# Altium PCB GameBoard_V1I1_Phase1.PcbDoc (part 6 of 18) (continued)
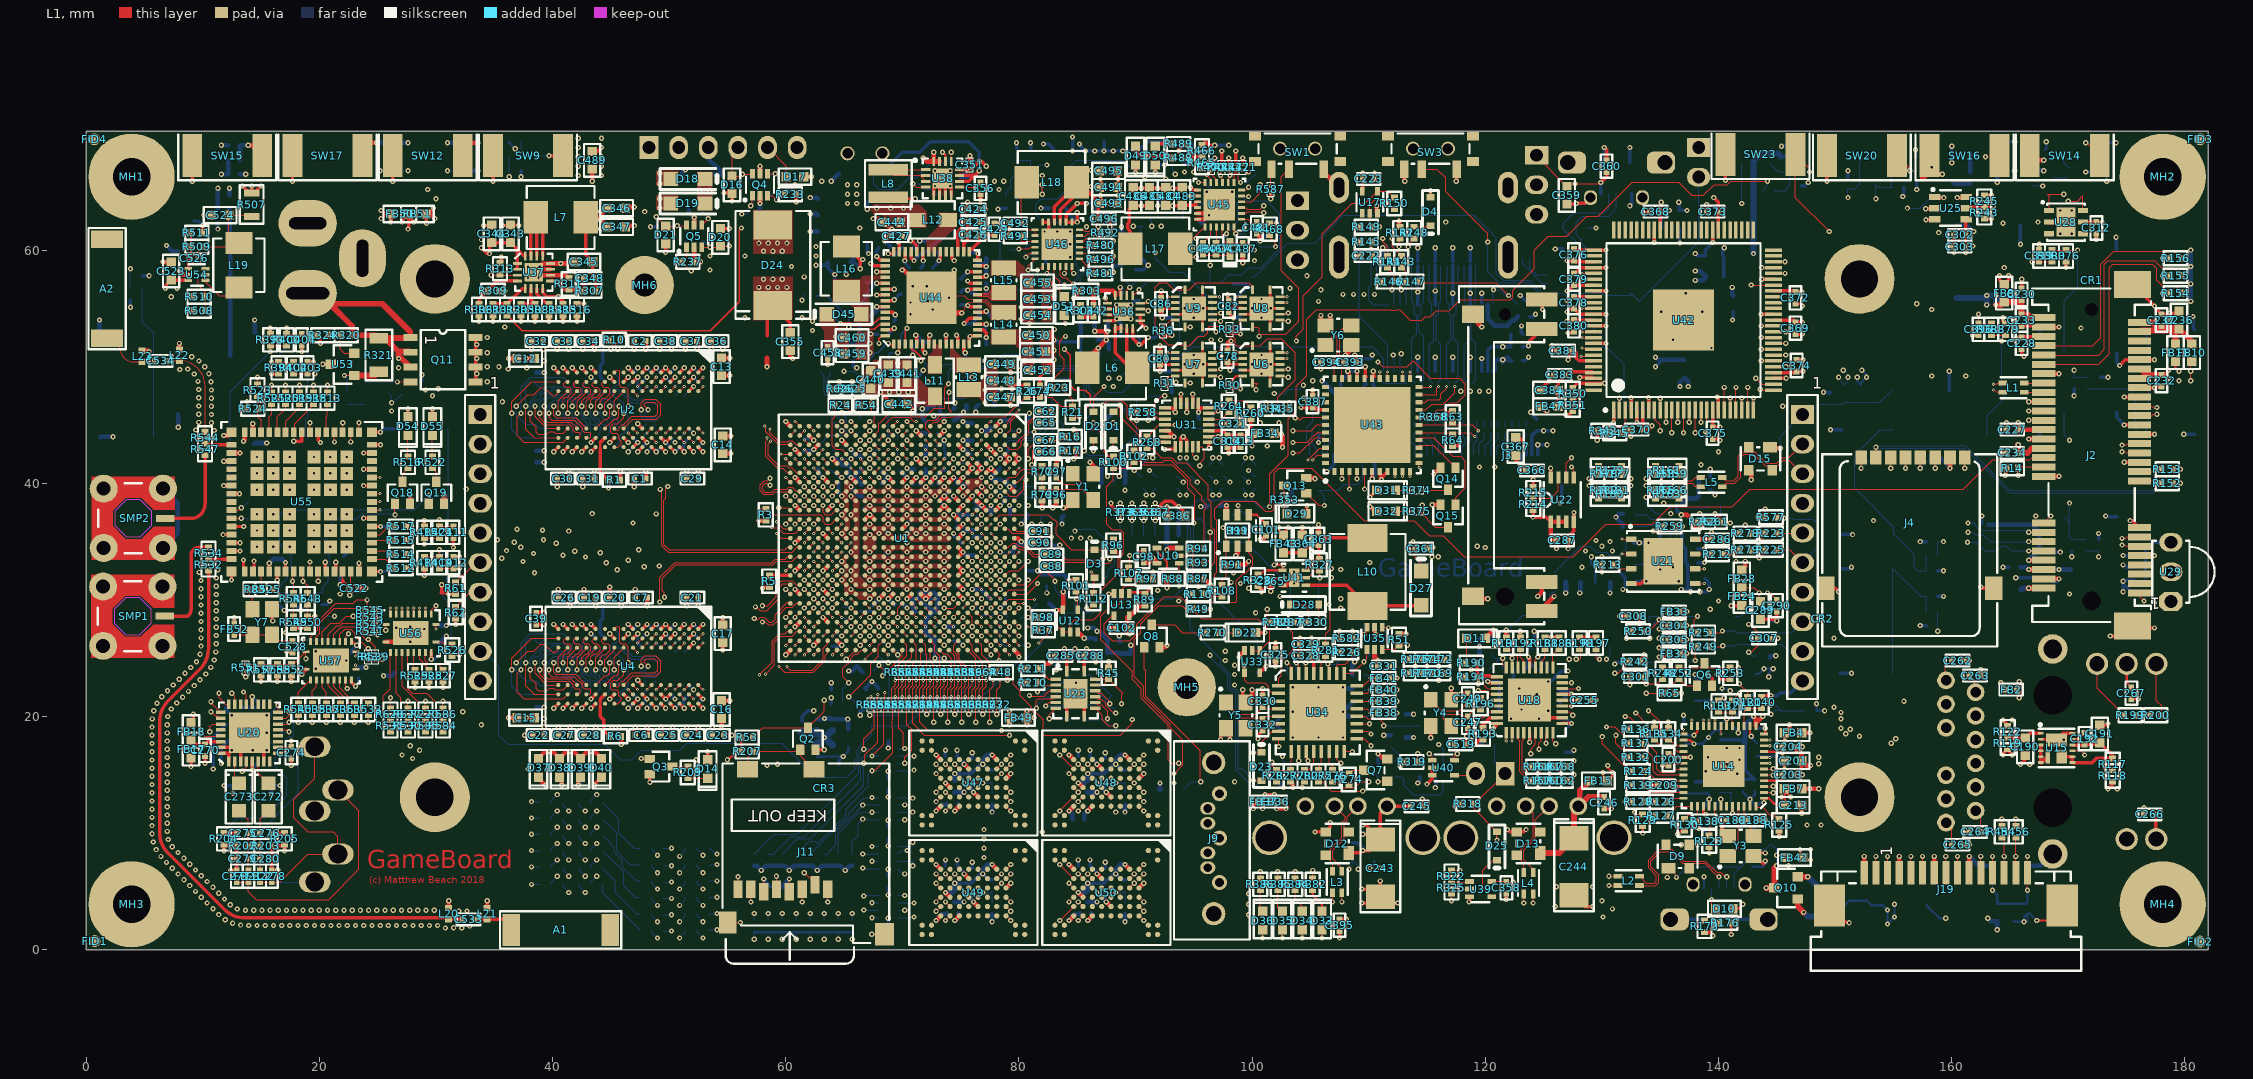
[diagram p0: L1 view]
## Nets (pads, with @x,y where several pads share a name; then routed paths per layer and width w, separated by ;. In a path a pad name is that pad's centre, name@x,y a point inside that pad or via, vN(x,y) a via of type N, cw(c..) or ccw(c..) an arc to the next point about the centre after c; other vN are vias at no path point) (continued)
  L12 w0.3: R436.2@70.2,50.8 70.7,50.8 v1(70.9,51) R437.2@70.9,51.9 ; v2(73.6,38.9) 74.1,39.4 C149.1@74.1,39.435
  L12 w0.4: v2(74.4,37.3) 75.2,37.3 ; C155.1@74.665,36.8 74.7,36.8 75.2,37.3 ; R80.2@75.735,37.2 75.635,37.3 75.2,37.3 ; C150.1@82.45,34.626 83.426,34.626 v1(83.5,34.7) ; v2(83.7,36.5) 83.7,37.1 R66.2@83.8,37.2 ; R69.2@86.4,44.7 v1(86.4,45.2) ; R68.2@88.1,44.7 v1(88.1,45.2) ; R81.2@89.1,40 89.125,40.025 89.125,41.2 R82.2@89.1,41.2 v1(89.1,41.8) ; C99.1@97.2,38.1 v1(97.8,38.1) ; TP31.1@99.2,32.8 v1(99.7,33.3)
+3V0_VSNVS: C430.1 R426.2 R433.2 R434.2 U44.43 | length 116.5
  L1 w0.3: v2(67.8,59.45) 68.1,59.15 U44.43@68.55,59.15
  L5 (PWR) w0.1: v2(67.8,59.45) 67.8,61.03 68.945,62.175 69.255,62.175 69.33,62.1 75.5,62.1 76.725,63.325 76.725,63.655 76.97,63.9 80.47,63.9 82.775,61.595 82.775,57.305 82.625,57.155 82.625,56.845 82.995,56.475 87.355,56.475 88.155,55.675 89.755,55.675 90.255,55.175 91.855,55.175 93.205,53.825 96.845,53.825 97.145,53.525 119.295,53.525 119.545,53.775 119.855,53.775 120.105,53.525 121.68,53.525 123.23,55.075 124.545,55.075 124.745,55.275 125.055,55.275 125.255,55.075 139.175,55.075 140.808,56.708 140.808,57.508 v1(143,59.7) ; v2@67.925,59.325 68.4,58.85 68.4,50.15 69.85,48.7 v1(72.2,48.7)
  L12 w0.1: v1(72.2,48.7) R434.2@72.9,48.7
  L12 w0.3: v2(67.8,59.45) 67.8,60 C430.1@68,60.2 ; 145.4,68 R426.2@146.1,68
  L12 w0.5: v1(143,59.7) R433.2@143,66 143,67.6 143.7,68.3 145.1,68.3 145.4,68
+3V3: C77.1 C78.1 C79.1 C80.1 C81.1 C82.1 C85.1 C86.1 C98.1 C100.1 C157.1 C159.1 C160.1 C161.1 C162.1 C170.1 C177.1 C178.1 C179.1 C187.1 C223.1 C266.1 C267.1 C268.1 C284.1 C285.1 C286.1 C287.2 C288.1 C302.1 C303.2 C308.1 C312.1 C317.1 C331.1 C366.1 C367.1 C385.1 C386.1 C387.1 C388.1 C389.1 C390.1 C391.1 C392.1 C395.1 C416.1 C417.1 C453.1 C454.1 C455.1 C474.1 CTP1.1 D4.2 D5.2 D6.2 D7.2 D14.2 D18.2 D29.2 D31.2 D32.2 D33.2 D34.2 D35.2 D36.2 D37.2 D38.2 D39.2 D40.2 D41.2 D42.2 FB7.1 FB8.1 FB12.1 FB19.1 FB20.2 FB28.2 FB32.1 FB34.1 FB35.1 FB37.1 FB44.1 FB45.1 FB46.1 FB47.1 FB48.1 FB49.1 FB50.1 J8.14 J8.16 J11.4 L15.2 LCD1.4 Q4.2 Q4.5 Q5.2 Q5.5 R14.2 R20.2 R21.2 R34.1 R45.2 R46.2 R47.2 R48.2 R49.2 R50.2 R51.2 R52.2 R53.2 R54.2 R59.2 R60.2 R61.2 R62.2 R63.2 R64.2 R65.2 R70.2 R71.2 R72.2 R87.2 R88.2 R92.2 R104.2 R105.2 R106.2 R113.2 R122.1 R141.2 R149.2 R151.2 R173.2 R207.2 R210.2 R211.2 R212.1 R213.2 R214.2 R231.2 R232.2 R236.2 R237.2 R243.1 R247.2 R277.2 R278.2 R279.2 R342.1 R350.1 R365.2 R366.2 R367.2 R368.2 R376.2 R377.2 R378.2 R379.2 R392.2 R393.2 R394.2 R395.2 R396.2 R399.2 R404.2 R405.2 R406.2 R407.2 R414.2 R415.2 R416.2 R418.2 R422.2 R423.2 R425.2 R435.2 R578.2 R579.2 R587.2 R588.2 R590.2 R622.2 R625.2 R629.2 R630.2 R631.2 R632.2 R633.2 R634.2 R635.2 R636.2 R637.2 R638.2 R639.2 R640.2 R641.2 SW3.3 TP36.1 U1.G14 U1.G15 U1.G16 U1.G17 U1.J7 U1.K19 U1.L19 U1.M19 U1.P7 U1.P19 U6.4 U7.4 U8.4 U9.4 U10.5 U12.5 U17.5 U21.8 U22.1 U22.2 U22.3 U22.8 U23.1 U23.16 U25.4 U27.5 U28.5 U32.5 U35.5 U42.7 U42.99 U43.7 U43.8 U43.28 U43.29 U43.37 U44.17 U44.25 U44.27 U44.55 | length 235.9
  L1 w0.093: J11.4@60.315,4.975 v2(60.315,6.065) ; v1(100.9,1) D36.2@100.9,1.6 ; v1(102.6,1) D35.2@102.6,1.6 ; v1(104.3,1) D34.2@104.3,1.6 ; v1(106,1) D33.2@106,1.6
  L1 w0.2: v1(55,16.3) 55.1,16.3 v1(55.6,16.8) ; R207.2@56.2,17 R53.2@56.2,18.2 ; v2(98.1,49.7) 97.9,49.9 C78.1@97.9,50.4 98.1,50.2 U6.4@99.2,50.2 ; J8.16@175.007,24.518 175.007,22.893 C267.1@175.4,22.5
  L1 w0.25: C86.1@92.2,54.9 92.3,55 U9.4@93.4,55 ; C80.1@92.3,50.2 U7.4@93.4,50.2
  L1 w0.3: R393.2@15.8,52.8 v1(15.8,53.3) ; v1(15.9,49.4) R394.2@16.5,49.4 ; v1(25.3,62.7) 25.7,63.1 ; v1(25.3,63.4) 25.6,63.1 25.7,63.1 ; v1(26.1,62.4) 26.15,62.45 FB50.1@26.15,63.1 25.7,63.1 ; v1(29,32.1) R414.2@29,32.7 ; R415.2@29,36.3 v1(29,36.8) ; v1(30.5,31.3) 30.5,30.65 30.45,30.6 31,30.6 v1(31.1,30.5) R61.2@31.7,30.5 ; v1(31.7,27.9) R62.2@31.7,28.4 ; D14.2@53.3,16.3 v1(53.3,17) ; v1(65.8,47.3) R54.2@66.4,46.7 ; U44.55@68.55,53.15 69.15,53.15 v2(69.3,53.3) ; U44.17@76.45,53.65 v2(77.2,53.65) ; U44.25@76.45,57.65 76.95,57.65 ; U44.27@76.45,58.65 v2@77.1,58.65 ; v2(77.2,57.8) 77.05,57.65 76.95,57.65 ; v2@77.2,57.9 76.95,57.65 ; v2@77.2,58.55 v2@77.1,58.65 ; v2@77.2,58.65 v2@77.1,58.65 ; U23.1@84.1,23.9 C285.1@84.1,25.2 ; R21.2@84.6,45.6 84.7,45.7 v1(85.2,45.7) ; U23.16@85.6,23.9 C288.1@85.6,25.2 ; R365.2@89.7,37.765 R366.2@90.7,37.765 R367.2@91.7,37.765 91.959,37.765 91.959,37.887 92.175,38.103 92.175,38.147 92.503,38.475 93.125,38.475 v1@93.65,37.95 ; v1(93.7,38) 94.25,37.45 C386.1@94.25,37.225 ; v2(98.4,54.2) 98,54.6 C82.1@98,54.7 98.3,55 U8.4@99.2,55 ; v1(100.1,12.1) 100.1,12.3 FB37.1@100.5,12.7 100.9,12.3 v1(100.9,12.1) ; v1(101.6,64.4) R587.2@101.6,64.935 ; v2(104.2,46.5) C387.1@105.2,46.5 105.4,46.5 105.6,46.3 U43.37@106.3,46.3 ; D29.2@104.6,37.4 104.7,37.5 v1(104.7,38.1) ; v1(107.5,1) C395.1@107.5,1.6 ; v1(108.8,62) R149.2@109.3,62 ; U17.5@109.45,65.05 109.5,65.1 C223.1@109.5,66.1 v1(109.5,66.6) ; U43.29@109.65,49 109.8,49.15 109.7,49.25 v2(109.7,50) ; v1(110.1,38) 110.5,37.6 D32.2@110.7,37.6 ; v1(110.1,38.8) D31.2@110.7,39.4 ; U43.28@110.3,49 110.5,49.2 110.4,49.3 v2(110.4,49.6) ; U43.7@110.95,41 111,40.95 111,40.3 v2(111.1,40.3) 111.1,40.5 U43.8@111.6,41 ; D4.2@115.3,64.519 v1(115.3,65.1) ; R368.2@115.865,45.7 116.5,45.7 v1(116.6,45.8) 117,46.2 R63.2@117.2,46.2 R63.2@117.3,46.2 ; R64.2@117.2,43.2 117.6,43.2 117.8,43.4 v1(117.8,43.6) ; C367.1@122.6,42.4 122.6,42 v1(123,41.6) C366.1@123.5,41.1 ; R214.2@124.1,37.7 v1(124.1,37.1) 125.225,37.1 U22.1@125.625,36.7 ; FB47.1@124.75,46.6 125.15,46.2 v1(125.3,46.2) ; v1(125.6,41.3) 125.6,40.525 U22.8@125.625,40.5 ; R350.1@127.5,48.2 127.875,48.575 v2(130.25,48.575) ; v1(129.6,43.7) R342.1@129.6,44.5 ; v1(130,32.4) R213.2@130,33 ; v1(131.5,28.6) C308.1@132.2,28.6 ; U42.7@134,46.275 v2(134,47.35) ; R65.2@136.3,22 v1(136.8,22) ; R173.2@138.8,1.5 139.2,1.5 v1(139.5,1.2) ; v1(141.3,35.7) R278.2@141.8,35.7 ; v2(161.2,59.8) C302.1@161.2,61.3 ; U25.4@161.3,62.7 U25.4@161.25,62.65 161.2,62.6 C302.1@161.2,61.3 ; v2(161.8,60.35) 161.25,60.35 C303.2@161.2,60.3 C302.1@161.2,61.3 ; R243.1@162.8,62.7 v2(163.4,62.7) ; v1(164.1,57.8) 164.1,57.45 FB8.1@164.5,57.05 164.9,57.45 v1(164.9,57.8) ; v1(164.4,19.7) 164.8,19.3 R122.1@164.8,19.2 ; v2(164.4,54.2) 164.4,53.9 R379.2@164.6,53.7 ; v1(164.6,40.7) 164.7,40.8 R14.2@164.7,41.3 ; v2(169.8,58.5) R376.2@169.8,59.025 ; U28.5@171.25,62.4 C312.1@172.4,62.4 v1(172.9,62.4) ; C266.1@177.5,11.6 177.5,9.529 J8.14@177.547,9.482
  L1 w0.4: D37.2@38.8,16.4 39.4,17 v1(39.7,17) 40,17 D38.2@40.6,16.4 41.2,17 v1(41.5,17) 41.8,17 D39.2@42.4,16.4 43,17 v1(43.3,17) 43.6,17 D40.2@44.2,16.4 ; Q5.2@52.15,60.25 52.15,59 v1(52.7,59) ; Q5.5@52.15,62.15 v1(52.15,62.8) ; v1(55.6,16.8) 55.8,17 R207.2@56.2,17 ; v1(57.8,64) Q4.2@57.8,64.65 ; Q4.5@57.8,66.55 v1(57.8,67.2) ; R625.2@66.2,48.1 66.2,48.2 66.5,48.5 v1(66.5,48.7) ; v1(68.8,30.1) U1.P19@69.2,30.5 ; v2(68.8,40.5) U1.P7@69.2,40.1 ; v1(70.4,30.1) U1.M19@70.8,30.5 ; U1.L19@71.6,30.5 v1(72,30.1) U1.K19@72.4,30.5 ; U1.J7@73.2,40.1 v2(73.6,40.5) ; U1.G17@74.8,32.1 v2(75.2,32.5) U1.G16@74.8,32.9 ; U1.G15@74.8,33.7 v2(75.2,34.1) U1.G14@74.8,34.5 ; v1(79,23.1) R48.2@79,23.8 ; v1(79.2,19.3) FB49.1@79.2,19.9 ; v1(79.2,20.5) FB49.1@79.2,19.9 ; v1(79.8,19.9) FB49.1@79.2,19.9 ; v1(80.1,22.9) R210.2@80.7,22.9 ; v1(80.1,24.1) R211.2@80.7,24.1 ; v1(83.2,29.1) 83.7,29.1 U12.5@83.75,29.15 83.8,29.2 v1(83.8,30.7) ; v1(83.9,25.8) 83.9,25.4 C285.1@84.1,25.2 ; C288.1@85.6,25.2 85.8,25.4 v1(85.8,25.8) ; R45.2@87.7,24.2 v1(87.7,24.7) ; C98.1@90.7,33.2 91.1,33.2 v1(91.5,33.6) 91.85,33.25 U10.5@91.85,33.15 ; v2(92.1,49.6) C80.1@92.1,50.2 ; v2@92.2,54.3 C86.1@92.2,54.9 ; v1(92.7,31.05) R88.2@92.7,31.8 ; R49.2@95.9,29.2 v1(96.4,29.2) ; R87.2@95.9,31.8 v1(96.4,31.3) ; R34.1@101.2,46.4 v1(101.2,46.9) ; FB34.1@101.85,44.3 101.95,44.2 v1(102.5,44.2) 102.6,44.1 v1(102.6,43.1) ; R277.2@103.3,14.4 103.5,14.2 v1(103.5,13.9) ; U35.5@110.5,25.75 110.5,25.1 v1(110.8,24.8) C331.1@110.8,24.3 ; R51.2@112.6,27.1 v1(113.2,27.1) ; SW3.3@113.05,66.95 113.05,65.95 v1(113.1,65.9) ; v1(126.1,34.4) C287.2@126.1,35 ; C287.2@126.1,35.1 C287.2@126.1,35 ; U22.3@126.925,36.7 U22.2@126.275,36.7 U22.1@125.625,36.7 125.625,35.475 C287.2@126.1,35 ; FB32.1@136.7,25.4 v1(137.3,25.4) ; U21.8@138,35.21 138.01,35.2 C286.1@139.4,35.2 v1(139.4,35.8) ; R212.1@140.4,33.9 140.9,33.9 v1(141.1,34.1) 141.6,34.1 R279.2@141.8,34.3 ; FB28.2@142,32.55 142.3,32.85 v1(142.3,33.3) ; FB7.1@147.15,13.8 v1(147.85,13.8) v1(148.6,13.8)
  L12 w0.1: v2(57.3,0.9) R637.2@57.3,1.5 ; v2(58.5,0.9) R578.2@58.5,1.5 ; v2(59.7,0.9) R579.2@59.7,1.5 ; v2(60.9,0.9) R588.2@60.9,1.5 ; v2(62.1,0.9) R631.2@62.1,1.5 ; v2(63.3,0.9) R629.2@63.3,1.5 ; v2(64.5,0.9) R630.2@64.5,1.5 ; v2(65.7,0.9) R632.2@65.7,1.5
  L12 w0.2: R396.2@36.3,69.3 36.3,69.2 v1(36.8,68.7) ; R637.2@57.3,1.5 R578.2@58.5,1.5 R579.2@59.7,1.5 R588.2@60.9,1.5 R631.2@62.1,1.5 R629.2@63.3,1.5 R630.2@64.5,1.5 R632.2@65.7,1.5 ; C177.1@74.7,32.035 74.753,32.035 75.2,32.482 v2(75.2,32.5) ; v2(98.1,49.7) C77.1@99,49.7 ; R405.2@164.9,69.3 v1(165.4,69.3) ; D41.2@168,68.6 168.1,68.7 v1(168.1,69.3) ; v1(170.3,33.7) R377.2@170.3,34.2
  L12 w0.3: v1(3.8,55.1) R395.2@3.8,55.7 ; v1(10.9,15.5) 10.9,18.231 C268.1@11.98,19.311 ; v1(11.6,16) 11.6,17.3 13.2,18.9 ; FB20.2@15.723,14.079 v1(16.623,14.079) ; R70.2@63.9,21.1 v1(63.9,21.6) ; R435.2@65.8,50.5 65.8,50 65.9,49.9 v1(66.1,49.9) ; C474.1@68.9,52.8 68.9,52.9 v2(69.3,53.3) ; R622.2@71.4,49.2 71.8,49.6 v1(71.8,49.7) ; C416.1@77.1,53.1 77.1,53.55 v2(77.2,53.65) ; R104.2@80,46.7 80,49.6 v1(80.1,49.7) ; v1(91.1,45.4) R46.2@91.1,46.1 ; C388.1@109.2,47.9 109.8,48.5 109.7,48.6 v2(109.7,50) ; R20.2@109.7,50.7 110.2,50.7 110.3,50.8 v2(110.3,51) ; v2(110.4,49.6) 110.4,48.4 110.75,48.05 C392.1@112.4,48.05 ; v1(123,41.6) LCD1.4@123,42.45 ; v1(123.1,53.5) 123.1,52.9 R141.2@123.2,52.8 ; FB12.1@126.9,16.95 127.45,16.95 v1(127.6,17.1) ; U32.5@131.45,33.05 131.45,32.45 132,31.9 C317.1@132,31.6 132,31.1 v1(131.8,30.9) ; v1(131.5,28.6) 132.1,28.6 U27.5@132.15,28.55 ; v1(136.6,64.1) 136.65,64.05 FB44.1@136.65,63.4 v1(137.3,63.4) ; v1(138.4,30.7) 139,30.7 v1(139.2,30.9) 139.2,31.45 FB35.1@138.85,31.8 ; v1(141.2,54) 141.25,54.05 141.25,54.7 ; v1(141.3,35.7) R59.2@141.8,35.7 ; v1(145.4,68.9) 145.7,68.9 R425.2@146.1,69.3 ; R418.2@151.1,66.2 v1(151.1,66.8) ; R416.2@156.9,68 v1(156.9,68.6) ; R422.2@158.8,30.3 v1(159.3,30.3) ; R423.2@158.8,32.5 v1(159.3,32.5) ; v1(160,67.5) D42.2@160,68.2 v1(160,68.9) ; R378.2@172.8,49.1 v2(173.4,49.1) ; R404.2@173.3,69.2 v1(174.1,69.2) ; v1(174.7,30.7) 174.7,31.4 R151.2@175.6,30.5 ; v1(174.7,31.6) 174.8,31.7 R247.2@175.6,31.7
  L12 w0.4: v1(11.3,61.8) R392.2@11.3,62.3 ; v1(11.6,69) R406.2@12.2,69 ; FB20.2@15.723,14.079 15.9,13.902 v1(15.9,13.3) ; R407.2@26.8,69.2 v1(27.6,69.2) ; v1(31,69.2) R399.2@31.8,69.2 ; R236.2@51.7,63.4 51.7,63.25 v1(52.15,62.8) ; R640.2@57.3,7.2 57.5,7.2 v2(57.9,6.8) 58.3,7.2 R636.2@58.5,7.2 R635.2@59.7,7.2 59.9,7.2 v2(60.3,6.8) 60.7,7.2 R639.2@60.9,7.2 R633.2@62.1,7.2 62.3,7.2 v2(62.7,6.8) 63.1,7.2 R641.2@63.3,7.2 R634.2@64.5,7.2 64.7,7.2 v2(65.1,6.8) 65.5,7.2 R638.2@65.7,7.2 ; R231.2@57.8,63.2 v1(57.8,64) ; C284.1@59.7,5.4 59.7,5.45 v2(60.315,6.065) ; R232.2@60,65.1 60.3,65.1 v1(60.8,65.6) ; v1(65.4,23.9) 65.7,23.9 66.1,24.3 R47.2@66.6,23.8 ; R113.2@66.2,48 66.5,48.3 v1(66.5,48.7) ; v2(66.4,20.1) 66.4,20.4 67.1,21.1 R72.2@67.9,21.1 ; C179.1@68.265,40 68.765,40.5 v2(68.8,40.5) 68.3,41 R590.2@68.265,41 ; v1(68.8,30.1) 68.835,30.1 C157.1@69.335,29.6 ; v1(70.4,30.1) C160.1@70.935,30.1 70.935,29.215 C162.1@71.15,29 ; v1(72,30.1) C159.1@72.535,30.1 ; C170.1@73.1,39.965 73.1,40 v2(73.6,40.5) ; v2(75.2,34.1) 75.465,33.835 C187.1@76.1,33.835 ; C417.1@76.4,58.8 77,58.8 v2(77.2,58.6) ; v2(77.2,57.8) v2(77.2,58.6) ; TP36.1@77.2,59.3 v2(77.2,58.6) ; R92.2@82.6,29.7 v1(83.2,29.1) 82.612,28.512 R52.2@82.612,28.5 ; v1(83.8,30.7) C100.1@83.8,31.2 ; R50.2@92.1,13.7 v1(92.1,14.3) ; v2(92.1,49.6) C79.1@93,49.6 ; v2(92.3,54.2) 93,54.2 C85.1@93.1,54.3 ; CTP1.1@93.7,35.55 C385.1@93.7,37.4 v1(93.7,38) ; v2(98.4,54.2) 98.8,54.2 C81.1@99,54.4 ; C389.1@108.2,47.9 C388.1@109.2,47.9 C391.1@110.2,47.9 C390.1@111.2,47.9 C392.1@112.25,47.9 ; v1(136.7,48.3) 136.7,48.659 FB46.1@137.1,49.059 137.4,48.759 v1(137.4,48.3) ; v1(138,57.4) 138.65,57.4 FB45.1@138.95,57.7 138.45,58.2 v1(138,58.2) ; v1(141.1,34.1) 141.6,34.1 R60.2@141.8,34.3 ; v1(163.1,2.7) 163.35,2.45 FB48.1@163.9,2.45 v1(163.9,1.7) ; v1(180.5,55.6) v1(180.5,57.1) v1(180.5,58.6) v1(180.5,60)
  other v1: 165.2,19.7 141.5,33.3 93.7,38 119.5,41.4 120.8,41.4 80.9,53.7 80.2,54.1 80.2,55.1 164.5,58.5 49.2,65.7 49.2,66.6
  other v2: 78.4,32.5
  other v3: 68.8,40.5
+3V3_COMP: C315.1 C316.1 FB35.2 R259.1 U30.14 | length 7.4
  L1 w0.3: R259.1@136.3,36.3 v1(136.9,36.3)
  L12 w0.3: v1(136.8,30.9) 137.4,30.9 v1(137.6,30.7) 137.6,30.9 137.35,31.15 FB35.2@137.35,31.8 137.35,33.05 C315.1@137.2,33.2 C316.1@137.2,34.4 136.9,34.7 U30.14@136.9,35.625 v1(136.9,36.3)
+3V3_COMP_IO: C318.1 R259.2 R261.2 R263.1 U30.1 | length 16.9
  L1 w0.3: v1(134.4,35.9) 134.9,35.9 R259.2@135.3,36.3 ; v1(139.7,37.4) 140.2,36.9 R261.2@140.2,36.7
  L8 (PWR) w0.3: v1(134.4,35.9) 134.4,36.728 138.872,41.2 v1(139.3,41.2) 139.3,40.35 140.175,39.475 140.175,38.803 139.7,38.328 v1(139.7,37.4)
  L12 w0.3: v1(134.4,35.9) U30.1@135.125,35.9 135,35.775 135,34.9 ; R263.1@139.3,40.5 v1(139.3,41.2)
  L12 w0.4: C318.1@135,34.4 135,34.9
+3V3_ETH_AVDDH: C213.1 C214.1 C215.1 C216.1 C217.1 FB7.2 U14.1 U14.12 U14.47 | length 16.7
  L1 w0.2: U14.47@142.7,12.3 v1(142.7,12.9) ; U14.12@143.89,18.49 144,18.6 v1(144,19) ; v1(143.9,12.6) 143.9,12.98 U14.1@143.89,12.99 144.31,12.99 144.8,12.5 145.5,12.5 145.69,12.69 FB7.2@145.69,13.61 ; v1(146.2,13.1) FB7.2@145.69,13.61 ; FB7.2@145.69,13.61 145.65,13.65 FB7.2@145.65,13.8 145.69,13.76 FB7.2@145.69,13.61
  L5 (PWR) w0.2: v1@144,18.999 146.2,16.799 v1(146.2,13.1)
  L12 w0.2: C217.1@142.1,13.6 142.1,13.5 v1(142.7,12.9) ; C216.1@143.1,13.6 143.1,13.3 v1(142.7,12.9) ; C215.1@143.3,19 v1(144,19) ; v1(143.9,12.6) 143.6,12.6 143.3,12.3 C214.1@143.1,12.3 143.1,12.5 v1(142.7,12.9)
  other v1: 145.4,13.1
+3V3_FLASH: C499.1 C500.1 C501.1 C502.1 C503.2 C504.1 C505.1 C506.1 C507.1 C508.2 C509.1 C510.1 C511.1 C512.1 C513.2 C514.1 C515.1 C516.1 C517.1 C518.2 FB49.2 R497.2 R500.2 R502.2 R504.2 U47.D3 U47.G4 U47.H8 U47.J6 U48.D3 U48.G4 U48.H8 U48.J6 U49.D3 U49.G4 U49.H8 U49.J6 U50.D3 U50.G4 U50.H8 U50.J6 | length 49.3
  L1 w0.4: v2(73.7,4.9) U49.J6@74.1,4.5 ; v2(73.7,14.3) U47.J6@74.1,13.9 ; v2(74.5,2.5) U49.H8@74.9,2.9 ; v2(74.5,11.9) U47.H8@74.9,12.3 ; v2(75.3,6.5) U49.G4@75.7,6.1 ; v2(75.3,15.9) U47.G4@75.7,15.5 ; v2(77.7,7.3) U49.D3@78.1,6.9 ; v2(77.7,16.7) U47.D3@78.1,16.3 ; v1(80.7,19.3) FB49.2@80.7,19.9 ; v1(80.7,20.5) FB49.2@80.7,19.9 ; v1(81.3,19.9) FB49.2@80.7,19.9 ; v2(85.1,4.9) U50.J6@85.5,4.5 ; v2(85.1,14.3) U48.J6@85.5,13.9 ; v2(85.9,2.5) U50.H8@86.3,2.9 ; v2(85.9,11.9) U48.H8@86.3,12.3 ; v2(86.7,6.5) U50.G4@87.1,6.1 ; v2(86.7,15.9) U48.G4@87.1,15.5 ; v2(89.1,7.3) U50.D3@89.5,6.9 ; v2(89.1,16.7) U48.D3@89.5,16.3
  L12 w0.3: v2(74.5,5.7) C513.2@75.9,5.7 ; v2(74.5,15.1) C503.2@75.9,15.1 ; v2(74.7,7.7) C510.1@74.7,7.2 75.3,6.6 v2(75.3,6.5) 75.9,5.9 C513.2@75.9,5.7 ; v2(74.7,17.1) C501.1@74.7,16.6 75.3,16 v2(75.3,15.9) 75.9,15.3 C503.2@75.9,15.1 ; C509.1@77,7 76.9,6.9 v2(76.9,6.5) ; C502.1@77,16.4 76.9,16.3 v2(76.9,15.9) ; R502.2@77.7,6 77.4,6 v2(76.9,6.5) ; R497.2@77.7,15.4 77.4,15.4 v2(76.9,15.9) ; v2(85.9,5.7) C518.2@87.3,5.7 ; v2(85.9,15.1) C508.2@87.3,15.1 ; v2(86.1,7.7) 86.1,7.2 86.7,6.6 v2(86.7,6.5) 87.3,5.9 C518.2@87.3,5.7 ; v2(86.1,17.1) 86.1,16.6 86.7,16 v2(86.7,15.9) 87.3,15.3 C508.2@87.3,15.1 ; C514.1@88.4,7 88.3,6.9 v2(88.3,6.5) ; C505.1@88.4,16.4 88.3,16.3 v2(88.3,15.9) ; R504.2@89.1,6 88.8,6 v2(88.3,6.5) ; R500.2@89.1,15.4 88.8,15.4 v2(88.3,15.9) ; C513.2@75.9,5.7 76.7,6.5 v2(76.9,6.5) ; C503.2@75.9,15.1 76.7,15.9 v2(76.9,15.9) ; C518.2@87.3,5.7 88.1,6.5 v2(88.3,6.5) ; C508.2@87.3,15.1 88.1,15.9 v2(88.3,15.9)
  L12 w0.4: v2(73.7,4.9) 74.3,4.9 C512.1@74.5,5.1 ; v2(74.5,2.5) 74.8,2.8 C511.1@74.8,3.1 ; v2(74.5,11.9) 74.8,12.2 C500.1@74.8,12.5 ; C509.1@77,7 77.3,7.3 v2(77.7,7.3) ; C502.1@77,16.4 77.3,16.7 v2(77.7,16.7) ; v2(85.1,4.9) 85.7,4.9 C517.1@85.9,5.1 ; v2(85.1,14.3) 85.7,14.3 C507.1@85.9,14.5 ; C504.1@85.6,11.2 85.6,11.6 v2(85.9,11.9) ; v2(85.9,2.5) 86.2,2.8 C516.1@86.2,3.1 ; C514.1@88.4,7 88.7,7.3 v2(89.1,7.3) ; C505.1@88.4,16.4 88.7,16.7 v2(89.1,16.7)
  L12 w0.45: C512.1@74.5,5.1 v2(74.5,5.7) ; C499.1@74.5,14.5 v2(74.5,15.1) ; C517.1@85.9,5.1 v2(85.9,5.7) ; C507.1@85.9,14.5 v2(85.9,15.1)
+3V3_GYRO: C313.1 C314.1 FB34.2 R260.1 U31.15 | length 6.7
  L1 w0.3: U31.15@96.275,44.5 97.5,44.5 C314.1@97.9,44.1 C313.1@99,44.1 FB34.2@100.15,44.1 ; R260.1@99.9,45.5 99.9,44.75 FB34.2@100.35,44.3 FB34.2@100.15,44.1 ; v1(100,43.2) 100,43.95 FB34.2@100.15,44.1
  other v1: 99.6,43.9
+3V3_GYRO_IO: C319.1 R254.1 R260.2 R264.1 R266.1 U31.18 | length 10.9
  L1 w0.093: U31.18@96.275,46 96.9,46 v1(97.1,46.2) R264.1@98,47.1 99.3,47.1 R260.2@99.9,46.5
  L12 w0.093: R254.1@93.5,46.8 96.5,46.8 v1(97.1,46.2) 96.5,45.6 C319.1@96.5,45.5 95.7,44.7 R266.1@95.1,44.7
+3V3_HDMI: C219.1 R141.1 U16.2 | length 5
  L12 w0.3: U16.2@120.2,49.6 120.2,51.4 120.5,51.7 v1(121.5,51.7) C219.1@122.2,51.7 R141.1@122.2,52.8
+3V3_HDR: C345.1 C346.1 C347.1 C348.2 D19.2 FB24.2 FB51.1 L7.2 R307.2 TP21.1 | length 155.1
  L1 w0.3: v1(29.2,62.3) 29.15,62.35 FB51.1@29.15,63.1 FB51.1@29.3,63.1 ; v1(29.8,63.6) FB51.1@29.3,63.1 ; v1(29.9,62.7) 29.5,63.1 FB51.1@29.3,63.1 ; R307.2@43.7,56.5 C348.2@43.7,57.6 43.45,57.85 C345.1@43.45,59 42.838,59.612 L7.2@42.838,62.8 43.95,62.8 ; C347.1@44.75,62 44.125,62.625 43.95,62.8 ; C346.1@44.75,63.6 43.95,62.8 ; v1(141.1,29.5) 141.95,29.5 FB24.2@142,29.55
  L7 (PWR) w0.3: v1(29.8,63.6) 43.8,63.6 v1(44.1,63.3) 45.5,64.7 48.9,64.7 ; v1(49.2,64.4) 48.9,64.7 ; v1(141.1,29.5) 141.3,29.7 141.7,29.7 143,31 143,34.303 142.775,34.528 142.775,35.197 141.475,36.497 141.475,36.797 140.397,37.875 136.397,37.875 134.997,39.275 133.653,39.275 133.325,39.603 133.325,40.597 133.525,40.797 133.525,42.4 132.5,42.4 128.55,46.35 128.55,46.675 125.95,49.275 124.553,49.275 123.225,50.603 122.897,50.603 121.975,51.525 121.975,51.897 121.697,52.175 121.325,52.175 120.225,53.275 120.225,54.175 118.575,55.825 118.503,55.825 118.225,56.103 118.225,56.175 116.2,58.2 111.522,58.2 110.897,57.575 108.181,57.575 107.906,57.3 103.624,57.3 103.524,57.4 96.528,57.4 92.653,61.275 86.947,61.275 86.447,60.775 84.797,60.775 84.597,60.975 79.053,60.975 77.725,62.303 77.725,64.125 74.575,67.275 58.547,67.275 57.997,66.725 56.747,66.725 56.497,66.975 52.147,66.975 51.597,66.425 51.276,66.425 49.551,64.7 48.9,64.7
  L12 w0.3: TP21.1@43.2,62.6 v1(44.1,62.6)
  other v1: 44.1,61.8 49.2,63.6
+3V3_HDR_J1: C289.1 C290.2 FB24.1 FB28.1 J12.4 | length 13.1
  L1 w0.1: FB24.1@142,31.05 143.05,31.05 v1(143.5,30.6) 143.5,29.95 C289.1@143.6,29.85 ; v1(144.2,30.6) 144.4,30.6 C290.2@145,30
  L7 (PWR) w0.1: v1(143.5,30.6) v1(144.2,30.6) 144.2,35.07 147.2,38.07 J12.4@147.2,38.28
+3V3_IR: C310.1 C311.1 R247.1 U29.3 | length 4.9
  L12 w0.3: R247.1@176.6,31.9 176.6,33.1 176.6,34.4 177.14,34.94 U29.3@178.8,34.94
+3V3_LDO: C423.1 FB36.1 TP30.1 U44.39 | length 85.5
  L1 w0.3: U44.39@70.75,59.85 70.75,59.35 v2(71,59.1) ; v1(102.1,12.1) v1(102.9,12.1) 103,12.2 FB36.1@102.5,12.7
  L5 (PWR) w0.3: v2(71,59.1) 71.475,58.625 72.953,58.625 73.753,57.825 74.647,57.825 74.925,58.103 74.925,58.797 76.303,60.175 76.697,60.175 82.047,54.825 83.447,54.825 86.197,52.075 86.997,52.075 87.872,51.2 93.6,51.2 95.1,52.7 96.6,52.7 v1(96.9,53) 97.3,52.6 v1(97.3,52.3) v1(96.5,52.3)
  L8 (PWR) w0.3: v1(97.3,52.3) 98.2,51.4 98.2,50.272 99.475,48.997 99.475,44.697 100.575,43.597 100.575,36.003 100.225,35.653 100.225,35.003 100.275,34.953 100.275,29.375 100.103,29.375 97.225,26.497 97.225,23.303 99.2,21.328 99.2,15.1 100.172,15.1 100.625,14.647 100.625,13.103 100.903,12.825 101.375,12.825 v1(102.1,12.1)
  L12 w0.3: v2(71,59.1) 71.7,59.8 C423.1@72,59.8 73.1,60.9 TP30.1@73.4,60.9
+3V3_MCU: C325.1 C326.1 C327.1 C328.1 C329.1 D22.2 FB36.2 FB37.2 Q7.2 R269.2 R272.2 R417.2 U33.5 U34.6 U34.29 | length 173.8
  L1 w0.3: D22.2@100.3,27.2 v1(101.1,27.2) ; U33.5@100.65,23.75 v1(101.2,24.3) ; v1(101.475,19.375) U34.6@102.275,19.375 ; FB36.2@101.5,12.7 101.5,12.9 v1(101.1,13.3) v1(101.9,13.3) ; C329.1@105.1,26.2 C328.1@105.1,25.2 105.1,24.8 105.3,24.6 U34.29@105.3,23.7 ; v1(110.8,16.8) 111.25,16.35 Q7.2@111.6,16.35
  L1 w0.4: v1(102,24.3) C325.1@102,24.8 ; C329.1@105.1,26.2 v1(105.1,26.7)
  L5 (PWR) w0.3: v1(101.1,13.3) 101.1,14.628 100.725,15.003 100.725,17.653 100.975,17.903 100.975,18.975 101.375,19.375 v1(101.475,19.375) 101.475,20.653 101.025,21.103 101.025,21.853 101.375,22.203 101.375,23.675 v1(102,24.3) v1(101.2,24.3) 101.2,24.528 100.725,25.003 100.725,25.575 101.1,25.95 v1(101.1,27.2) 104.8,27.2 105.1,26.9 v1(105.1,26.7) ; v1(101.9,13.3) 101.922,13.322 107.322,13.322 v1(110.8,16.8)
  L8 (PWR) w0.3: v1(110.8,16.8) 114.225,13.375 114.797,13.375 115.122,13.7 115.228,13.7 115.503,13.425 115.897,13.425 116,13.322 128.389,13.322 128.411,13.3 133.028,13.3 134.153,12.175 143.597,12.175 144.597,11.175 147.797,11.175 148.075,10.897 148.075,10.753 148.603,10.225 148.875,10.225 152.408,6.692 169.287,6.692 170.177,7.582 170.177,8.877 171.875,10.575 171.875,23.41 171.265,24.02 171.265,26.835 167.075,31.025 167.075,36.653 166.725,37.003 166.725,43.253 167.075,43.603 167.075,57.125 161,63.2 159,63.2 v1(157,65.2)
  L12 w0.3: R269.2@100.5,23.8 100.7,23.8 v1(101.2,24.3) ; v1(101.475,19.375) 101.875,19.375 ; C326.1@102.4,18.9 101.925,19.375 101.875,19.375 ; C327.1@102.4,19.9 101.875,19.375 ; R272.2@110.8,16 v1(110.8,16.8) ; v1(157,65.2) R417.2@157,65.8
+3V3_MPCIE: C224.1 C225.1 C230.1 C231.1 C232.1 C233.1 C234.1 C235.1 FB8.2 J2.2 J2.24 J2.39 J2.41 J2.52 | length 64.3
  L1 w0.3: J2.39@176.1,49 176.3,49.2 178.4,49.2 v1(178.6,49) ; J2.41@176.1,49.8 176.5,49.4 178.3,49.4 v1(178.6,49.7)
  L1 w0.5: v1(163.8,55.3) 164.25,55.3 FB8.2@164.5,55.55 165.85,55.55 C230.1@166,55.7 C233.1@166,54.5 166.5,54.5 166.8,54.2 J2.52@167.9,54.2 ; v1(165.7,43.3) C234.1@165.7,42.6 166.5,42.6 166.9,43 J2.24@167.9,43 ; v1(166.6,31) J2.2@167.9,31
  L7 (PWR) w0.5: v1(163.8,55.3) 165.8,55.3 167.993,53.107 167.993,48.293 168.212,48.075 ; v1(166.6,31) 166.075,31.525 166.075,32.138 166.025,32.188 166.025,36.038 166.275,36.288 166.275,40.938 165.7,41.513 v1(165.7,43.3) 165.7,43.713 166.612,44.625 166.638,44.625 167.175,45.162 167.175,47.038 168.212,48.075 ; v1(178.6,49.7) 177.675,48.775 175.362,48.775 174.287,47.7 171.113,47.7 170.738,48.075 168.212,48.075
  L12 w0.5: C225.1@160.4,55.88 162.78,55.88 v1(163,56.1) ; v1(163,55.3) v1(163,56.1) ; v1(163.8,55.3) v1(163.8,56.1) ; C224.1@165.9,55.88 164.02,55.88 v1(163.8,56.1) ; C231.1@166,30.9 166.1,31 v1(166.6,31) 167.1,31 C235.1@167.2,30.9 ; v1(163,56.1) v1(163.8,56.1)
+3V3_USB_HUB: C250.1 C251.2 C252.1 C253.2 C256.1 C257.1 C258.1 C259.1 C260.2 FB12.2 R184.2 R186.1 R187.2 R188.1 R197.2 R198.2 U18.5 U18.10 U18.15 U18.23 U18.29 U18.36 | length 50.9
  L1 w0.3: v1(120.2,23) 120.3,22.9 U18.29@121,22.9 ; v1(120.7,19) 121,19.3 U18.36@121,19.4 ; v1(123.7,25.1) 123.8,25 U18.23@123.8,24.2 ; v1(123.8,17.8) U18.5@123.8,18.6 ; R188.1@125.1,26.8 v1(125.7,26.8) R186.1@126.3,26.8 ; U18.10@126.6,19.4 v1(127.4,19.4) ; U18.15@126.6,21.9 v1(127.4,21.9) ; R198.2@128.2,26.8 v1(128.8,26.8) R197.2@129.5,26.8
  L5 (PWR) w0.3: v1(118.8,24) 118.872,24 119.872,23 v1(120.2,23) 120.7,22.5 v1(120.7,19) 122.6,19 v1(123.8,17.8) 124.628,17.8 125.003,18.175 126.175,18.175 v1(127.4,19.4) 127.4,19.528 126.925,20.003 126.925,21.425 v1(127.4,21.9) 127.425,21.925 128.197,21.925 128.8,22.528 v1(128.8,26.8) v1(125.7,26.8) 124.7,26.8 v1(124.2,27.3) 124.2,25.6 v1(123.7,25.1)
  L12 w0.3: v1(118.8,24) R184.2@119.3,24 119.3,23.9 v1(120.2,23) 121.1,23 C257.1@121.2,22.9 C260.2@121.2,21.6 C256.1@121.2,20.5 ; C252.1@123.4,24 123.7,24.3 123.7,24.7 ; v1(123.7,25.1) 123.7,24.7 ; v1(123.8,17.8) C259.1@123.8,18.8 ; R187.2@124.2,26.8 v1(124.2,27.3) ; C253.2@124.4,24 123.7,24.7 ; C258.1@126.4,19.8 127,19.8 v1(127.4,19.4) 126.9,18.9 FB12.2@126.9,18.45 ; C251.2@126.4,21.2 127.1,21.9 v1(127.4,21.9) 127.1,22.2 C250.1@126.4,22.2
+3V3_WIFI: C522.2 C525.2 C529.2 C531.2 D54.2 D55.2 FB50.2 FB51.2 R553.2 R554.2 R557.2 U55.46 U55.47 U56.19 U57.19 | length 91.2
  L1 w0.093: U55.46@22,32.425 22,31.7 22.7,31 C522.2@22.735,31
  L1 w0.1: C522.2@22.7,31 U55.47@22.7,32.425
  L1 w0.3: v1(15,23) R557.2@15,23.5 ; v1(21.8,31.3) 22,31.5 22,31.7 ; U57.19@22.75,23.15 22.75,22.95 v1(23.1,22.6) ; v1(27.1,62.4) 27.1,62.55 FB50.2@27.65,63.1 FB50.2@27.65,62.85 ; D54.2@27.6,45.7 v1(27.6,46.4) ; v1(27.6,61.8) 27.65,61.85 FB50.2@27.65,62.85 ; v1(28.1,62.4) FB50.2@27.65,62.85 ; v1(29.6,24.9) U56.19@29.6,25.5 ; D55.2@29.7,45.7 v1(29.7,46.4)
  L5 (PWR) w0.3: v1(22.6,30.4) 22.675,30.475 24.397,30.475 27.075,27.797 27.075,27.753 27.953,26.875 27.997,26.875 28.275,26.597 28.275,26.225 v1(29.6,24.9) 27.3,22.6 v1(23.1,22.6) 22.825,22.875 18.147,22.875 17.797,22.525 16.203,22.525 15.728,23 v1(15,23) 15,25.772 18.328,29.1 v1(18.4,29.1) 19.4,29.1 20.8,30.5 v1(21.8,30.5) v1(21.8,31.3) 21.875,31.375 21.875,36.147 22.253,36.525 23.997,36.525 24.275,36.803 24.275,37.075 29.7,42.5 v1(29.7,46.4) v1(27.6,46.4) 27.6,52.3 25.7,54.2 25.7,57.618 25.95,57.868 25.95,60.15 v1(27.6,61.8)
  L12 w0.3: R553.2@17.8,29.6 17.9,29.6 v1(18.4,29.1) 18.5,29.1 R554.2@19,29.6 18.7,29.9 v1(18.4,29.9) ; v1(21.8,31.3) 21.8,31.95 C525.2@22.1,32.25 ; v1(23.1,22.6) 23.4,22.9 C531.2@23.4,23.3 ; v1(29.6,24.9) 29.9,24.9 C529.2@30.3,25.3